# Altium PCB MOTHERBOARD.PcbDoc (part 1 of 4) (continued)
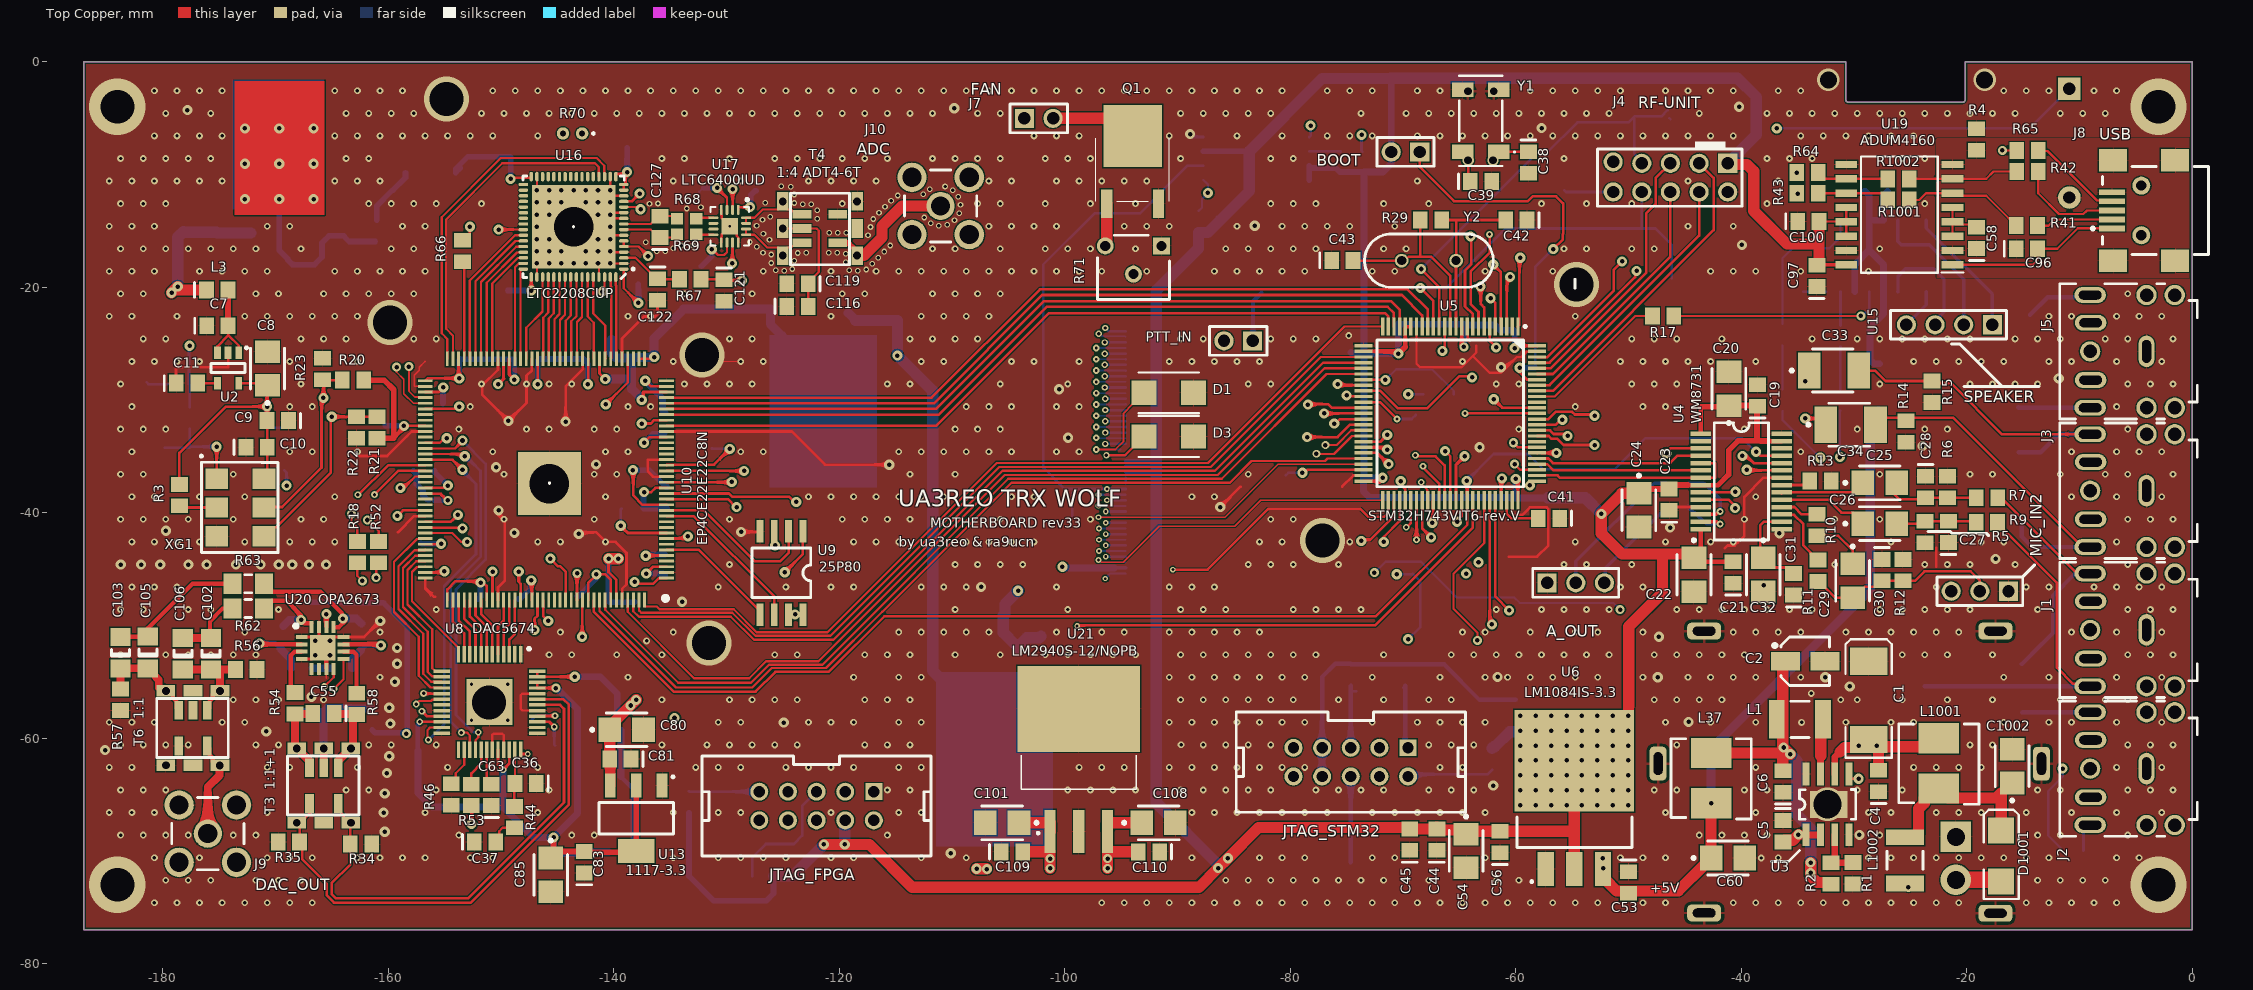
[diagram p0: Top Copper view]
## Components (designator, comment, footprint, x,y, rotation, side; value= is the part's Value field where it differs from the comment) (continued)
D30 "SMAJ5.0A-TR" SMBJ36CATR -44.325,-4.3 r0 bottom
D31 "SMAJ5.0A-TR" SMBJ36CATR -84.75,-20.5 r180 bottom
D34 "SMAJ5.0A-TR" SMBJ36CATR -17.65,-30.65 r180 bottom
D35 "SMAJ5.0A-TR" SMBJ36CATR -14.4,-24.675 r270 bottom
D36 "SMAJ5.0A-TR" SMBJ36CATR -25.925,-55.4 r180 bottom
D37 "SMAJ5.0A-TR" SMBJ36CATR -17.325,-53.425 r180 bottom
D38 "SMAJ5.0A-TR" SMBJ36CATR -17.3,-57.725 r180 bottom
D39 "SMAJ5.0A-TR" SMBJ36CATR -17.375,-40.7 r180 bottom
D40 "SMAJ5.0A-TR" SMBJ36CATR -17.6,-34.65 r180 bottom
D1001 "SS34" SMB -16.95,-70.45 r90 top
D1002 "Diode" C1206 -66.85,-29.5 r180 bottom
J1 "SJ1-3525NG" SJ1-3525NG -4.572,-50.4 r180 top value=LINE_IN
J2 "SJ1-3525NG" SJ1-3525NG -4.572,-62.7 r180 top value=MIC_IN
J3 "SJ1-3525NG" SJ1-3525NG -4.572,-38.05 r180 top value=PHONE_OUT
J4 "RF-UNIT" 90131-0126 -45.01,-10.29 r180 top
J5 "SJ1-3525NG" SJ1-3525NG -4.572,-25.7 r180 top value=KEY_IN
J6 "FPC-45P-0.5mm" FH12S45S05SH60 -95.25,-34.9 r90 bottom
J7 "FAN" 51022-0200 -102.3,-4.4 r0 top
J8 "USB" 2-1734035-3 -3.825,-13.2 r90 top
J9 "DAC_OUT" 31-5431 -175.986,-68.465 r0 top
J10 "ADC" 31-5431 -111,-12.8 r270 top
JTAG_FPGA "" IDC10 -122.001,-66.015 r0 top
JTAG_STM32 "" IDC10 -74.63,-62.12 r0 top
L1 "3.3uH" IND_1812 -34.8,-58.325 r180 top
L3 "BLM21" CAP_0805 -175.35,-20.25 r0 top
L7 "22uH" IND_7x7 -156.3,-9.85 r0 bottom
L8 "BLM21" CAP_0805 -161,-15.2 r90 bottom
L9 "3.3uH" IND_1812 -27.75,-28.85 r270 bottom value=4.7uH
L37 "10uH" IND_7x7 -42.675,-63.6 r90 top
L1001 "10uH" IND_7x7 -22.475,-62.3 r90 top
L1002 "10uH" IND_1812 -25.475,-70.825 r270 top
MIC_IN2 "51022-0300_1" "51022-0200 - duplicate" -17.575,-47.6 r180 top
PTT_IN "PTT_IN" 51022-0200 -84.6,-25.4 r180 top
Q1 "2SC5103TLP" 2SC5103TLQ -93.975,-9.6 r0 top
R1 "7.5k" RES_0805 -30.1,-71.975 r90 top
R2 "39k" RES_0805 -32.05,-72 r270 top
R3 "0/NONE" RES_0805 -178.5,-38.45 r270 top value=NONE/0
R4 "NONE / 0" RES_0805 -19.15,-6.9 r90 top
R5 "5.6k" RES_0805 -23.7,-41.725 r90 top
R6 "5.6k" RES_0805 -21.7,-37.725 r270 top
R7 "5.6k" RES_0805 -18.2,-38.675 r180 top
R8 "30k" RES_0805 -31.2,-24.35 r270 bottom
R9 "5.6k" RES_0805 -18.225,-40.85 r180 top
R10 "10k" RES_0805 -33.275,-41.1 r90 top
R11 "680" RES_0805 -33.2,-45.15 r90 top
R12 "47k" RES_0805 -25.675,-45.1 r270 top
R13 "10k" RES_0805 -32.972,-37.204 r180 top
R14 "47k" RES_0805 -25.4,-32.8 r90 top
R15 "47k" RES_0805 -23.075,-29.275 r90 top
R16 "1.5k" RES_0805 -147.25,-59.3 r90 bottom
R17 "1k" RES_0805 -46.925,-22.55 r180 top
R18 "1k" RES_0805 -162.725,-43.5 r270 top
R19 "1k" RES_0805 -45.225,-19.2 r0 bottom
R20 "130" RES_0805 -163.1,-28.25 r180 top
R21 "130" RES_0805 -161,-32.45 r90 top
R22 "82" RES_0805 -162.8,-32.45 r270 top
R23 "82" RES_0805 -165.8,-27.25 r90 top
R24 "10k" RES_0805 -156.825,-36.3 r0 bottom
R25 "1k" RES_0805 -161.4,-58.325 r270 bottom
R26 "1k" RES_0805 -49.451,-3.901 r90 bottom
R27 "10k" RES_0805 -68.85,-32.7 r90 bottom
R28 "10k" RES_0805 -58.275,-28.075 r90 bottom
R29 "1m" RES_0805 -67.525,-14.05 r180 top
R30 "10k" RES_0805 -138.35,-39.65 r0 bottom
R31 "10k" RES_0805 -126.755,-72.219 r0 bottom
R32 "10k" RES_0805 -133.311,-65.669 r270 bottom
R33 "10k" RES_0805 -69.8,-54.4 r90 bottom
R34 "100" RES_0805 -162.4,-69.4 r180 top
R35 "100" RES_0805 -168.8,-69.2 r0 top
R36 "10k" RES_0805 -62.1,-61.85 r270 bottom
R37 "10k" RES_0805 -74.6,-54.4 r270 bottom
R38 "10k" RES_0805 -75.6,-71 r0 bottom
R39 "10k" RES_0805 -88.125,-14.2 r90 bottom
R40 "22" RES_0805 -74.555,-7.995 r0 bottom
R41 "24" RES_0805 -14.675,-14.55 r180 top
R42 "24" RES_0805 -14.625,-9.75 r180 top
R43 "24" RES_0805 -34.125,-11.675 r180 top
R44 "56" RES_0805 -148.8,-67 r90 top
R45 "47k" RES_0805 -177.6,-31.6 r270 bottom
R46 "10k" RES_0805 -154.4,-65 r90 top
R47 "10k" RES_0805 -135.25,-38.675 r270 bottom
R48 "10k" RES_0805 -132.225,-34.975 r180 bottom
R49 "1k" RES_0805 -168.1,-58.6 r270 bottom
R50 "1k" RES_0805 -56.65,-11.4 r180 bottom
R51 "5.6k" RES_0805 -178.6,-28.6 r180 bottom
R52 "1k" RES_0805 -160.85,-43.5 r270 top
R53 "22" RES_0805 -152.625,-65.025 r90 top
R54 "22" RES_0805 -168.25,-56.9 r90 top
R55 "30k" RES_0805 -36.35,-24.225 r270 bottom
R56 "10k" RES_0805 -172.575,-53.9 r180 top
R57 "10k" RES_0805 -183.719,-56.592 r270 top
R58 "22" RES_0805 -162.775,-56.95 r270 top
R59 "*" RES_0805 -169.55,-51.1 r270 bottom
R60 "*" RES_0805 -162.4,-51.25 r270 bottom
R61 "330" RES_0805 -167.575,-54.125 r0 bottom
R62 "5.6" RES_1206 -172.4,-48.5 r0 top
R63 "5.6" RES_1206 -172.4,-46.3 r0 top
R64 "24" RES_0805 -34.125,-9.85 r180 top
R65 "24" RES_0805 -14.625,-7.875 r180 top
R66 "1.5k" RES_0805 -153.4,-16.8 r270 top
R67 "56" RES_0805 -133.2,-19.3 r180 top
R68 "10" RES_0603 -133.525,-13.925 r180 top
R69 "10" RES_0603 -133.525,-15.3 r180 top
R70 "Thermistor 20k" MF52A103F3950A1 -142.791,-6.376 r270 top
R71 "ADJ-5k" 306J -93.9,-18.245 r270 top
R1001 "NONE / 0" RES_0805 -26.05,-12.25 r180 top
R1002 "NONE / 0" RES_0805 -26.05,-10.425 r180 top
R1003 "0" RES_0805 -10.6,-69.95 r180 bottom
T3 "1:1+1" TRANSF_ACORE2 -165.7,-64.2 r270 top
T4 "1:4 ADT4-6T" TRANSF_ACORE2 -121.7,-14.8 r0 top
T6 "1:1" TRANSF_ACORE -177.3,-59.1 r270 top
U1 "PAM8406" PAM8403 -28.025,-17.235 r90 bottom
U2 "LD3985" LD3985 -174.022,-27.123 r270 top
U3 "ST1S10" ST1S10 -32.349,-65.874 r90 top
U4 "WM8731" WM8731 -40,-37.225 r0 top
U5 "STM32H743VIT6-rev.V" STM32H743VIT6 -65.8,-31.2 r270 top
U6 "LM1084IS-3.3" LM1085-3.3 -54.8,-65.3 r90 top
U7 "W25Q16" W25Q16 -83,-8.595 r0 bottom
U8 "DAC5674" QFP50P900X900X100-49N -151,-56.8 r270 top locked
U9 "25P80" 25P80 -125.115,-45.338 r270 top
U10 "EP4CE22E22C8N" QFP144-20-2222A -145.7,-37.3 r180 top locked
U11 "1117DT-2.5" TO228P991X238-3N -106.335,-56.85 r270 bottom
U12 "1117DT-1.2" TO228P991X238-3N -121.42,-26.975 r270 bottom
U13 "1117-3.3" LT1117CST-3.3 -137.915,-67.1 r270 top value=LD1117-3.3
U14 "1117-1.8" LT1117CST-3.3 -138,-67.2 r90 bottom value=LD1117-1.8
U15 "SPEAKER" "speaker conn" -20.275,-23.975 r180 top
U16 "LTC2208CUP" LTC2208CUP -143.247,-14.65 r180 top
U17 "LTC6400IUD" LT-UD-16_N -129.7,-14.6 r270 top
U18 "1117DT-3.3" TO228P991X238-3N -169.675,-10.35 r90 bottom
U19 "ADUM4160" SOIC127P1032X265-16N -25.975,-13.575 r180 top
U20 "OPA2673" QFN65P400X400X100-17N-D -165.8,-52 r0 top
U21 "LM2940S-12/NOPB" TO254P1524X483-4N -98.75,-61.875 r90 top
XG1 "122.88Mhz" NV7050SA -173.252,-39.17 r0 top
XG2 "12.288Mhz TCXO 3.3v TTL/CMOS (set other freq in fpga code)" 581L200X2ITT -168.104,-34.354 r270 bottom
Y1 "ABS25-32.768KHZ-6-T" ABS25 -63.1,-5.25 r90 top
Y2 "8mhz" ECS-200-20-1 -67.7,-17.65 r180 top

## Footprints (in the part's own frame and the unit in brackets; to place one, negate y for a bottom-side part, rotate by r counter-clockwise, add the part's x,y. Pads: shape width x height; smd on the part's side, far side on the other; paste and mask are expansions set on the pad)
2-1734035-3 [mm]
  rect 0.5x2.3 smd: 1(-1.6,3.3) 2(-0.8,3.3) 3(0,3.3) 4(0.8,3.3) 5(1.6,3.3)
  rect 2x2.5 smd: 6(-4.45,3.2) 7(4.45,3.2) 8(-4.45,-2.3) 9(4.45,-2.3)
  round 1.6 hole 0.9: 10(-2.2,0.7) 11(2.201,0.7)
  silkscreen extent -3.9,-5.25 3.9,5.25
2SC5103TLQ [mm]
  rect 1x2.5 smd: 1(-2.3,-3) 3(2.3,-3)
  rect 5.2x5.5 smd: 2(0,3)
  silkscreen extent -3.25,-2.8 3.25,2.8, body extent -3.25,-4.15 3.25,5.23, height 2.6
25P80 [mm]
  rect 2x0.6 smd: 1(-3.7,1.905) 2(-3.7,0.635) 3(-3.7,-0.635) 4(-3.7,-1.905) 5(3.7,-1.905) 6(3.7,-0.635) 7(3.7,0.635) 8(3.7,1.905)
  silkscreen extent -2.2,-2.6 2.2,2.6
31-5431 [mm]
  round 2.6 hole 1.7: 1(-2.54,-2.54) 2(2.54,-2.54) 3(2.54,2.54) 4(-2.54,2.54)
  round 2.5 hole 1.7: 5(0,0)
  silkscreen extent -3.2,-3.2 3.2,3.2
306J [mm]
  rect 1.5x1.5 hole 0.9: 1(-1.9,2.5)
  round 1.5 hole 0.9: 2(0.6,0) 3(-1.9,-2.5)
  silkscreen extent -2.85,-3.2 2.85,3.2
581L200X2ITT [mm]
  rect 1.5x1.2 smd: 1(-1.9,-1.1) 2(1.9,-1.1) 3(1.9,1.1) 4(-1.9,1.1)
  silkscreen extent -3.2,-1.6 2.5,1.6, body extent -2.53,-1.6 2.53,1.6, height 1.75
51022-0200 [mm]
  rect 1.7x1.7 hole 1.1: 1(-1.27,-0.635)
  round 1.7 hole 1.1: 2(1.27,-0.635)
  silkscreen extent -2.54,-1.91 2.54,0.64
"51022-0200 - duplicate" [mm]
  rect 1.7x1.7 hole 1.1: 1(-1.27,-0.635)
  round 1.7 hole 1.1: 2(1.27,-0.635) 3(3.81,-0.635)
  silkscreen extent -2.54,-1.91 5.08,0.64
90131-0126 [mm]
  rect 1.7x1.7 hole 1.1: 1(-3.81,-1.27)
  round 1.7 hole 1.1: 2(-3.81,1.27) 3(-1.27,-1.27) 4(-1.27,1.27) 5(1.27,-1.27) 6(1.27,1.27) 7(3.81,-1.27) 8(3.81,1.27) 9(6.35,-1.397) 10(6.35,1.27)
  silkscreen extent -5.08,-2.54 7.75,2.54
ABS25 [mm]
  rect 1.3x1.9 smd: 1(-2.75,-1.6) 2(2.75,-1.6) 3(2.75,1.6) 4(-2.75,1.6)
  silkscreen extent -4,-3.03 4,1.9
C1206 [mm] "Chip Capacitor, Body 3.2x1.6mm, IPC High Density"
  rect 1.1x1.7 smd: 1(-1.35,0) 2(1.35,0)
  silkscreen extent -0.4,-0.75 0.4,0.75, body extent -1.7,-0.9 1.7,0.9, height 1.3
CAP_0805 [mm]
  rect 1.3x1.5 smd: 1(-0.75,0) 2(1.15,0)
  silkscreen extent -1.8,-0.65 -1.8,0.65
CAP_1206 [mm]
  rect 1.6x1.8 smd: 1(-1.4,0) 2(1.4,0)
  silkscreen extent -0.3,-0.8 0.3,0.8
CAPAE_4.3x4.3h5.4#1 [mm]
  rect 2.55x1.6 smd: 1(-1.75,0) 2(1.75,0)
  silkscreen extent -3,-2.15 2.15,2.15
CAPAE_4.3x4.3h5.4#2 [mm]
  rect 2x2.2 smd: 1(-1.1,0) 2(1.9,0)
  silkscreen extent -2.9,-1.5 2.2,1.5
ECS-200-20-1 [mil]
  round 48 hole 32: 1(-95,0) 2(95,0)
  silkscreen extent -225,-93 225,93
EEEFC_sizeС [mm]
  rect 2x3.2 smd: 1(-1.1,0) 2(3.302,0)
  silkscreen extent -2.9,-1.91 2.79,1.91
FH12S45S05SH60 [mm]
  rect 0.3x1.3 smd: 1(11,0.65) 2(10.5,0.65) 3(10,0.65) 4(9.5,0.65) 5(9,0.65) 6(8.5,0.65) 7(8,0.65) 8(7.5,0.65) 9(7,0.65) 10(6.5,0.65) 11(6,0.65) 12(5.5,0.65) 13(5,0.65) 14(4.5,0.65) 15(4,0.65) 16(3.5,0.65) 17(3,0.65) 18(2.5,0.65) 19(2,0.65) 20(1.5,0.65) 21(1,0.65) 22(0.5,0.65) 23(0,0.65) 24(-0.5,0.65) 25(-1,0.65) 26(-1.5,0.65) 27(-2,0.65) 28(-2.5,0.65) 29(-3,0.65) 30(-3.5,0.65) 31(-4,0.65) 32(-4.5,0.65) 33(-5,0.65) 34(-5.5,0.65) 35(-6,0.65) 36(-6.5,0.65) 37(-7,0.65) 38(-7.5,0.65) 39(-8,0.65) 40(-8.5,0.65) 41(-9,0.65) 42(-9.5,0.65) 43(-10,0.65) 44(-10.5,0.65) 45(-11,0.65)
  rect 2.2x3 smd: 46(-12.9,-1.1) 47(12.9,-1.04)
  silkscreen extent -12.8,-5.6 12.8,0, body extent -13.62,-5.6 13.62,1.27, height 2.1
IDC10 [mm]
  rect 1.5x1.5 hole 1: 1(5.08,1.27)
  round 1.6 hole 1: 2(5.08,-1.27) 3(2.54,1.27) 4(2.54,-1.27) 5(0,1.27) 6(0,-1.27) 7(-2.54,1.27) 8(-2.54,-1.27) 9(-5.08,1.27) 10(-5.08,-1.27)
  silkscreen extent -10.16,-4.44 10.16,4.44
IND_7x7 [mm]
  rect 2.7x3.6 smd: 1(-2.159,0) 2(2.286,0)
  silkscreen extent -3.56,-3.56 3.56,3.56
IND_1812 [mm]
  rect 1.4x3.4 smd: 1(-2.05,0) 2(2.05,0)
  silkscreen extent -0.8,-1.6 0.8,1.6
JX2 [mm]
  rect 2.7x2.7 hole 1.6: 1(-1.905,0)
  round 2.7 hole 1.6: 2(1.905,0)
  silkscreen extent -3.81,-1.4 3.81,1.4
KLS5-CR1220-01 [mm]
  rect 2x2 hole 1.1: 1(-9.65,0)
  round 2 hole 1.1: 2(0,0)
  silkscreen extent -11.75,-8 8.05,8
LD3985 [mm]
  rect 1.1x0.6 smd: 1(-1.316,0.785) 2(-1.316,-0.165) 3(-1.316,-1.115) 4(1.384,-1.115) 5(1.384,0.785)
  silkscreen extent -1.93,-1.66 0.43,1.66
LM1085-3.3 [mm]
  rect 3x1.45 smd: 1(-6.3,2.54) 2(-6.3,0) 3(-6.3,-2.54)
  rect 9x10.6 smd: 4(3.3,0)
  silkscreen extent -7.61,-5.1 -1.7,5.1
LT1117CST-3.3 [mm]
  rect 2.15x0.95 smd: 1(-2.9,2.215) 2(-2.9,-0.085) 3(-2.9,-2.385)
  rect 2.15x3.25 smd: 4(2.9,-0.085)
  silkscreen extent -3.86,-3.38 1.4,3.38
LT-UD-16_N [mm] "QFN, 16-Leads, Body 3x3mm, Pitch 0.5mm, Thermal Pad 1.45x1.45mm, IPC Medium Density"
  oval 0.9x0.25 smd: 1(-1.45,0.75) 2(-1.45,0.25) 3(-1.45,-0.25) 4(-1.45,-0.75) 9(1.45,-0.75) 10(1.45,-0.25) 11(1.45,0.25) 12(1.45,0.75)
  oval 0.25x0.9 smd: 5(-0.75,-1.45) 6(-0.25,-1.45) 7(0.25,-1.45) 8(0.75,-1.45) 13(0.75,1.45) 14(0.25,1.45) 15(-0.25,1.45) 16(-0.75,1.45)
  rect 1.45x1.45 smd: 17(0,0)
  silkscreen extent -2.47,-1.7 1.7,1.7, body extent -1.55,-1.55 1.55,1.55, height 0.8
LTC2208CUP [mm]
  oval 0.85x0.3 smd: 1(-4.147,3.75) 2(-4.147,3.25) 3(-4.147,2.75) 4(-4.147,2.25) 5(-4.147,1.75) 6(-4.147,1.25) 7(-4.147,0.75) 8(-4.147,0.25) 9(-4.147,-0.25) 10(-4.147,-0.75) 11(-4.147,-1.25) 12(-4.147,-1.75) 13(-4.147,-2.25) 14(-4.147,-2.75) 15(-4.147,-3.25) 16(-4.147,-3.75) 33(4.753,-3.75) 34(4.753,-3.25) 35(4.753,-2.75) 36(4.753,-2.25) 37(4.753,-1.75) 38(4.753,-1.25) 39(4.753,-0.75) 40(4.753,-0.25) 41(4.753,0.25) 42(4.753,0.75) 43(4.753,1.25) 44(4.753,1.75) 45(4.753,2.25) 46(4.753,2.75) 47(4.753,3.25) 48(4.753,3.75)
  oval 0.3x0.85 smd: 17(-3.447,-4.45) 18(-2.947,-4.45) 19(-2.447,-4.45) 20(-1.947,-4.45) 21(-1.447,-4.45) 22(-0.947,-4.45) 23(-0.447,-4.45) 24(0.053,-4.45) 25(0.553,-4.45) 26(1.053,-4.45) 27(1.553,-4.45) 28(2.053,-4.45) 29(2.553,-4.45) 30(3.053,-4.45) 31(3.553,-4.45) 32(4.053,-4.45) 49(4.053,4.45) 50(3.553,4.45) 51(3.053,4.45) 52(2.553,4.45) 53(2.053,4.45) 54(1.553,4.45) 55(1.053,4.45) 56(0.553,4.45) 57(0.053,4.45) 58(-0.447,4.45) 59(-0.947,4.45) 60(-1.447,4.45) 61(-1.947,4.45) 62(-2.447,4.45) 63(-2.947,4.45) 64(-3.447,4.45)
  rect 7.4x7.4 smd: 65(0.303,0)
  silkscreen extent -5.18,-4.5 4.8,4.6
MF52A103F3950A1 [mm]
  round 1.1 hole 0.55: 1(0,0) 2(0,-1.7)
  silkscreen extent -0.1,0.9 0.1,1.1, body extent -1.25,-2.1 1.25,0.4, height 4.1
NV7050SA [mm]
  rect 2x1.8 smd: 1(-1.948,2.17) 2(-1.948,-0.37) 3(-1.948,-2.91) 4(2.252,-2.91) 5(2.252,-0.37) 6(2.252,2.17)
  silkscreen extent -3.51,-4.38 3.51,4.38
PAM8403 [mm]
  rect 2x0.6 smd: 1(-3.175,4.445) 2(-3.175,3.175) 3(-3.175,1.905) 4(-3.175,0.635) 5(-3.175,-0.635) 6(-3.175,-1.905) 7(-3.175,-3.175) 8(-3.175,-4.445) 9(3.175,-4.445) 10(3.175,-3.175) 11(3.175,-1.905) 12(3.175,-0.635) 13(3.175,0.635) 14(3.175,1.905) 15(3.175,3.175) 16(3.175,4.445)
  silkscreen extent -1.7,-5.15 1.7,5.15
QFN65P400X400X100-17N-D [mm]
  rect 1.05x0.35 smd: 1(-1.85,0.975) 2(-1.85,0.325) 3(-1.85,-0.325) 4(-1.85,-0.975) 9(1.85,-0.975) 10(1.85,-0.325) 11(1.85,0.325) 12(1.85,0.975)
  rect 0.35x1.05 smd: 5(-0.975,-1.85) 6(-0.325,-1.85) 7(0.325,-1.85) 8(0.975,-1.85) 13(0.975,1.85) 14(0.325,1.85) 15(-0.325,1.85) 16(-0.975,1.85)
  rect 2.26x2.26 smd: 17(0,0)
  silkscreen extent -2.54,1.79 -2.21,2.11, body extent -2.05,-2.05 2.05,2.05, height 1
QFP50P900X900X100-49N [mm]
  rect 1.475x0.3 smd: 1(-4.238,2.75) 2(-4.238,2.25) 3(-4.238,1.75) 4(-4.238,1.25) 5(-4.238,0.75) 6(-4.238,0.25) 7(-4.238,-0.25) 8(-4.238,-0.75) 9(-4.238,-1.25) 10(-4.238,-1.75) 11(-4.238,-2.25) 12(-4.238,-2.75) 25(4.238,-2.75) 26(4.238,-2.25) 27(4.238,-1.75) 28(4.238,-1.25) 29(4.238,-0.75) 30(4.238,-0.25) 31(4.238,0.25) 32(4.238,0.75) 33(4.238,1.25) 34(4.238,1.75) 35(4.238,2.25) 36(4.238,2.75)
  rect 0.3x1.475 smd: 13(-2.75,-4.238) 14(-2.25,-4.238) 15(-1.75,-4.238) 16(-1.25,-4.238) 17(-0.75,-4.238) 18(-0.25,-4.238) 19(0.25,-4.238) 20(0.75,-4.238) 21(1.25,-4.238) 22(1.75,-4.238) 23(2.25,-4.238) 24(2.75,-4.238) 37(2.75,4.238) 38(2.25,4.238) 39(1.75,4.238) 40(1.25,4.238) 41(0.75,4.238) 42(0.25,4.238) 43(-0.25,4.238) 44(-0.75,4.238) 45(-1.25,4.238) 46(-1.75,4.238) 47(-2.25,4.238) 48(-2.75,4.238)
  rect 4.1x4.1 smd: 49(0,0)
  silkscreen extent -4.85,3.38 -4.6,3.63, body extent -4.5,-4.5 4.5,4.5, height 1
QFP144-20-2222A [mil]
  rect 52x10 smd: 1(-409.45,334.64) 2(-409.45,314.96) 3(-409.45,295.27) 4(-409.45,275.59) 5(-409.45,255.9) 6(-409.45,236.22) 7(-409.45,216.53) 8(-409.45,196.85) 9(-409.45,177.16) 10(-409.45,157.48) 11(-409.45,137.8) 12(-409.45,118.11) 13(-409.45,98.43) 14(-409.45,78.74) 15(-409.45,59.06) 16(-409.45,39.37) 17(-409.45,19.69) 18(-409.45,0) 19(-409.45,-19.68) 20(-409.45,-39.37) 21(-409.45,-59.06) 22(-409.45,-78.74) 23(-409.45,-98.43) 24(-409.45,-118.11) 25(-409.45,-137.8) 26(-409.45,-157.48) 27(-409.45,-177.17) 28(-409.45,-196.85) 29(-409.45,-216.54) 30(-409.45,-236.22) 31(-409.45,-255.91) 32(-409.45,-275.59) 33(-409.45,-295.28) 34(-409.45,-314.96) 35(-409.45,-334.65) 36(-409.45,-354.33) 73(433.07,-354.33) 74(433.07,-334.65) 75(433.07,-314.96) 76(433.07,-295.28) 77(433.07,-275.59) 78(433.07,-255.91) 79(433.07,-236.22) 80(433.07,-216.54) 81(433.07,-196.85) 82(433.07,-177.17) 83(433.07,-157.48) 84(433.07,-137.8) 85(433.07,-118.11) 86(433.07,-98.43) 87(433.07,-78.74) 88(433.07,-59.06) 89(433.07,-39.37) 90(433.07,-19.68) 91(433.07,0) 92(433.07,19.69) 93(433.07,39.37) 94(433.07,59.06) 95(433.07,78.74) 96(433.07,98.43) 97(433.07,118.11) 98(433.07,137.8) 99(433.07,157.48) 100(433.07,177.16) 101(433.07,196.85) 102(433.07,216.53) 103(433.07,236.22) 104(433.07,255.9) 105(433.07,275.59) 106(433.07,295.27) 107(433.07,314.96) 108(433.07,334.64)
  rect 10x52 smd: 37(-332.68,-431.1) 38(-312.99,-431.1) 39(-293.31,-431.1) 40(-273.62,-431.1) 41(-253.94,-431.1) 42(-234.25,-431.1) 43(-214.57,-431.1) 44(-194.88,-431.1) 45(-175.2,-431.1) 46(-155.51,-431.1) 47(-135.83,-431.1) 48(-116.14,-431.1) 49(-96.46,-431.1) 50(-76.77,-431.1) 51(-57.09,-431.1) 52(-37.4,-431.1) 53(-17.72,-431.1) 54(1.97,-431.1) 55(21.65,-431.1) 56(41.34,-431.1) 57(61.02,-431.1) 58(80.71,-431.1) 59(100.39,-431.1) 60(120.08,-431.1) 61(139.76,-431.1) 62(159.45,-431.1) 63(179.13,-431.1) 64(198.82,-431.1) 65(218.5,-431.1) 66(238.19,-431.1) 67(257.87,-431.1) 68(277.56,-431.1) 69(297.24,-431.1) 70(316.93,-431.1) 71(336.61,-431.1) 72(356.3,-431.1) 109(356.3,411.42) 110(336.61,411.42) 111(316.93,411.42) 112(297.24,411.42) 113(277.56,411.42) 114(257.87,411.42) 115(238.19,411.42) 116(218.5,411.42) 117(198.82,411.42) 118(179.13,411.42) 119(159.45,411.42) 120(139.76,411.42) 121(120.08,411.42) 122(100.39,411.42) 123(80.71,411.42) 124(61.02,411.42) 125(41.34,411.42) 126(21.65,411.42) 127(1.97,411.42) 128(-17.72,411.42) 129(-37.4,411.42) 130(-57.09,411.42) 131(-76.77,411.42) 132(-96.46,411.42) 133(-116.14,411.42) 134(-135.83,411.42) 135(-155.51,411.42) 136(-175.2,411.42) 137(-194.88,411.42) 138(-214.57,411.42) 139(-234.25,411.42) 140(-253.94,411.42) 141(-273.62,411.42) 142(-293.31,411.42) 143(-312.99,411.42) 144(-332.68,411.42)
  rect 220x220 smd: 145(0,5)
  rect 157.48x157.48 hole 137.8: 145(0,5)
RES_0603 [mm]
  rect 1.1x1 smd: 1(-0.85,0) 2(0.85,0)
RES_0805 [mm]
  rect 1.3x1.5 smd: 1(-0.95,0) 2(0.95,0)
RES_1206 [mm]
  rect 1.6x1.8 smd: 1(-1.4,0) 2(1.4,0)
  silkscreen extent -0.3,-0.8 0.3,0.8
SJ1-3525NG [mm]
  oval 1.4x2.8 hole 2 slot 0.8 at 0 deg: 1(-0.511,0)
  oval 2.8x1.4 hole 0.8 slot 2 at 0 deg: 2(4.489,-5) 3(4.489,5) 4(4.445,2.54) 5(4.445,-2.54)
  round 1.8 hole 1.2: 6(4.489,0) 7(-3.011,-5) 8(-0.511,-5) 9(-3.011,5) 10(-0.511,5)
  silkscreen extent -5.01,-6 7.19,6
SMB [mm] "DO-214-AA/SMB; 2 C-Bend Leads; Body 5.3 x 3.6 mm, inc. leads (LxW)"
  rect 2.3x2.3 smd: 1(-2.25,0) 2(2.25,0)
  silkscreen extent -3.8,-1.55 4.1,1.55
SMBJ36CATR [mm]
  rect 2.2x2.15 smd: 1(-2.2,0) 2(2.2,0)
  silkscreen extent -2.68,-1.81 2.68,1.81, body extent -3.08,-1.81 3.09,1.81, height 2.75
SMC [mm] "DO-214-AB/SMC; 2 C-Bend Leads; Body 7.9 x 5.9 mm, inc. leads (LxW)"
  rect 2.4x3.3 smd: 1(-3.475,0) 2(3.475,0)
  silkscreen extent -5.07,-2.05 5.43,2.05
SOIC127P1032X265-16N [mm]
  rect 1.925x0.65 smd: 1(-4.712,4.445) 2(-4.712,3.175) 3(-4.712,1.905) 4(-4.712,0.635) 5(-4.712,-0.635) 6(-4.712,-1.905) 7(-4.712,-3.175) 8(-4.712,-4.445) 9(4.712,-4.445) 10(4.712,-3.175) 11(4.712,-1.905) 12(4.712,-0.635) 13(4.712,0.635) 14(4.712,1.905) 15(4.712,3.175) 16(4.712,4.445)
  silkscreen extent -5.68,-5.15 3.4,5.15, body extent -5.16,-5.15 5.16,5.15, height 2.65
"speaker conn" [mm]
  rect 1.7x1.7 hole 1.1: 1(-2.54,-0.635)
  round 1.7 hole 1.1: 2(0,-0.635) 3(2.54,-0.635) 4(5.08,-0.635)
  silkscreen extent -3.81,-1.91 6.48,0.64
ST1S10 [mm]
  rect 2x0.6 smd: 1(-2.7,1.905) 2(-2.7,0.635) 3(-2.7,-0.635) 4(-2.7,-1.905) 5(2.7,-1.905) 6(2.7,-0.635) 7(2.7,0.635) 8(2.7,1.905)
  rect 2.41x3.3 smd: 9(0,-0.1)
  silkscreen extent -1.32,-2.5 1.32,2.5
STM32H743VIT6 [mm]
  rect 1.6x0.3 smd: 1(-7.7,6) 2(-7.7,5.5) 3(-7.7,5) 4(-7.7,4.5) 5(-7.7,4) 6(-7.7,3.5) 7(-7.7,3) 8(-7.7,2.5) 9(-7.7,2) 10(-7.7,1.5) 11(-7.7,1) 12(-7.7,0.5) 13(-7.7,0) 14(-7.7,-0.5) 15(-7.7,-1) 16(-7.7,-1.5) 17(-7.7,-2) 18(-7.7,-2.5) 19(-7.7,-3) 20(-7.7,-3.5) 21(-7.7,-4) 22(-7.7,-4.5) 23(-7.7,-5) 24(-7.7,-5.5) 25(-7.7,-6) 51(7.7,-6) 52(7.7,-5.5) 53(7.7,-5) 54(7.7,-4.5) 55(7.7,-4) 56(7.7,-3.5) 57(7.7,-3) 58(7.7,-2.5) 59(7.7,-2) 60(7.7,-1.5) 61(7.7,-1) 62(7.7,-0.5) 63(7.7,0) 64(7.7,0.5) 65(7.7,1) 66(7.7,1.5) 67(7.7,2) 68(7.7,2.5) 69(7.7,3) 70(7.7,3.5) 71(7.7,4) 72(7.7,4.5) 73(7.7,5) 74(7.7,5.5) 75(7.7,6)
  rect 0.3x1.6 smd: 26(-6,-7.7) 27(-5.5,-7.7) 28(-5,-7.7) 29(-4.5,-7.7) 30(-4,-7.7) 31(-3.5,-7.7) 32(-3,-7.7) 33(-2.5,-7.7) 34(-2,-7.7) 35(-1.5,-7.7) 36(-1,-7.7) 37(-0.5,-7.7) 38(0,-7.7) 39(0.5,-7.7) 40(1,-7.7) 41(1.5,-7.7) 42(2,-7.7) 43(2.5,-7.7) 44(3,-7.7) 45(3.5,-7.7) 46(4,-7.7) 47(4.5,-7.7) 48(5,-7.7) 49(5.5,-7.7) 50(6,-7.7) 76(6,7.7) 77(5.5,7.7) 78(5,7.7) 79(4.5,7.7) 80(4,7.7) 81(3.5,7.7) 82(3,7.7) 83(2.5,7.7) 84(2,7.7) 85(1.5,7.7) 86(1,7.7) 87(0.5,7.7) 88(0,7.7) 89(-0.5,7.7) 90(-1,7.7) 91(-1.5,7.7) 92(-2,7.7) 93(-2.5,7.7) 94(-3,7.7) 95(-3.5,7.7) 96(-4,7.7) 97(-4.5,7.7) 98(-5,7.7) 99(-5.5,7.7) 100(-6,7.7)
  silkscreen extent -7.92,-6.5 6.5,6.85
TO228P991X238-3N [mm]
  rect 1.75x1 smd: 1(-4.7,2.285) 3(-4.7,-2.285)
  rect 6.35x5.55 smd: 4(2.4,0)
  silkscreen extent -5.42,-3.25 -1.15,3.42
TO254P1524X483-4N [mm]
  rect 3.79x0.99 smd: 1(-6.4,2.54) 2(-6.4,0) 3(-6.4,-2.54)
  rect 7.62x10.84 smd paste-6: 4(4.48,0)
  silkscreen extent -6.64,-5.08 0.36,5.08, body extent -7.18,-5.08 7.18,5.08, height 4.65
TRANSF_ACORE [mm]
  rect 1x1.65 smd: 1(-3.3,2.4) 2(-3.3,0) 3(-3.3,-2.4) 4(3.3,-2.4) 5(3.3,0) 6(3.3,2.4)
  rect 1.65x0.76 smd: 7(-1.59,1.27) 8(-1.59,0) 9(-1.59,-1.27) 10(1.59,1.27) 11(1.59,-1.27)
  silkscreen extent -2.61,-3.21 2.61,3.13
TRANSF_ACORE2 [mm]
  rect 1x1.65 smd: 1(-3.3,2.4) 2(-3.3,0) 3(-3.3,-2.4) 4(3.3,-2.4) 5(3.3,0) 6(3.3,2.4)
  rect 1.65x0.76 smd: 7(-1.59,1.27) 8(-1.59,0) 9(-1.59,-1.27) 10(1.59,1.27) 11(1.59,-1.27)
  silkscreen extent -2.61,-3.21 2.61,3.13
W25Q16 [mm]
  rect 2x0.6 smd: 1(-4.7,1.905) 2(-4.7,0.635) 3(-4.7,-0.635) 4(-4.7,-1.905) 5(4.7,-1.905) 6(4.7,-0.635) 7(4.7,0.635) 8(4.7,1.905)
  silkscreen extent -3.2,-2.6 3.2,2.6
WM8731 [mm]
  rect 1.8x0.4 smd: 1(-3.6,4.225) 2(-3.6,3.575) 3(-3.6,2.925) 4(-3.6,2.275) 5(-3.6,1.625) 6(-3.6,0.975) 7(-3.6,0.325) 8(-3.6,-0.325) 9(-3.6,-0.975) 10(-3.6,-1.625) 11(-3.6,-2.275) 12(-3.6,-2.925) 13(-3.6,-3.575) 14(-3.6,-4.225) 15(3.6,-4.225) 16(3.6,-3.575) 17(3.6,-2.925) 18(3.6,-2.275) 19(3.6,-1.625) 20(3.6,-0.975) 21(3.6,-0.325) 22(3.6,0.325) 23(3.6,0.975) 24(3.6,1.625) 25(3.6,2.275) 26(3.6,2.925) 27(3.6,3.575) 28(3.6,4.225)
  silkscreen extent -2.4,-5.2 2.4,5.2

## Part data
A_OUT MIC_IN2: "51022-0300"
B1: library part BR1632A/FA, "BR1632A/FA"
BOOT: library part 51022-0200, "2 Pin"
C1: library part CAPAE_6.6x6.6h5.4, "CAPAE_6.6x6.6h5.4"
C2 C8 C20 C22 C24 C25 C26 C29 C32 C33 C34 C54 C60 C75 C77 C80 C85 C101 C108 C125 C126 C1002: library part CAPAE_4.3x4.3h5.4, "CAPAE_4.3x4.3h5.4"
C3 C4 C5 C6 C7 C9 C10 C11 C12 C13 C14 C15 C16 C17 C19 C21 C23 C27 C28 C30 C31 C35 C36 C37 C38 C39 C40 C41 C42 C43 C44 C45 C46 C47 C48 C49 C50 C51 C52 C53 C55 C56 C57 C58 C59 C61 C62 C63 C64 C65 C66 C67 C68 C69 C70 C71 C72 C73 C74 C76 C78 C79 C81 C82 C83 C84 C86 C87 C88 C89 C90 C91 C92 C93 C94 C95 C96 C97 C98 C99 C100 C104 C107 C109 C110 C112 C113 C114 C115 C116 C117 C118 C119 C120 C121 C122 C123 C124 C127 C135 C136 C137 C1001 C1003 C1004: library part CAP_0805, "CAP_0805"
C102 C103 C105 C106: library part CAP_1206, "CAP_1206"
D1 D3 D29 D30 D34 D35 D36 D37 D38 D39 D40: library part SMLVT3V3, "Diode", Manufacturer_Name=STMicroelectronics, Mouser Part Number=511-SMLVT3V3, RS Part Number=5444821P, Allied_Number=70013736, Allied Price/Stock=http://www.alliedelec.com/stmicroelectronics-smlvt3v3/70013736/, Datasheet Link=http://www.st.com/web/en/resource/technical/document/datasheet/CD00000923.pdf, Height=2.65mm, Manufacturer_Part_Number=SMLVT3V3, Mouser Price/Stock=https://www.mouser.com/Search/Refine.aspx?Keyword=511-SMLVT3V3, RS Price/Stock=http://uk.rs-online.com/web/p/products/5444821P
D31: library part SMLVT3V3, "Diode", LCSC Part #=test, Manufacturer_Name=STMicroelectronics, Mouser Part Number=511-SMLVT3V3, RS Part Number=5444821P, Allied_Number=70013736, Allied Price/Stock=http://www.alliedelec.com/stmicroelectronics-smlvt3v3/70013736/, Datasheet Link=http://www.st.com/web/en/resource/technical/document/datasheet/CD00000923.pdf, Height=2.65mm, Manufacturer_Part_Number=SMLVT3V3, Mouser Price/Stock=https://www.mouser.com/Search/Refine.aspx?Keyword=511-SMLVT3V3, RS Price/Stock=http://uk.rs-online.com/web/p/products/5444821P
D1001: library part "D Schottky", "Schottky Diode", Code_JEDEC=DO-214-AA, LatestRevisionDate=17-Jul-2002, LatestRevisionNote="Re-released for DXP Platform.", PackageDescription="DO-214-AA/SMB; 2 C-Bend Leads; Body 5.3 x 3.6 mm, inc. leads (LxW)", PackageReference=SMB, Published=8-Jun-2000, Publisher="Altium Limited"
D1002: "Default Diode", Code_JEDEC=DO-214-AB, LatestRevisionDate=17-Jul-2002, LatestRevisionNote="Re-released for DXP Platform.", PackageDescription="DO-214-AB/SMC; 2 C-Bend Leads; Body 7.9 x 5.9 mm, inc. leads (LxW)", PackageReference=SMC, PackageVersion=Sep-1996, Published=8-Jun-2000, Publisher="Altium Limited"
J1 J2 J3 J5: library part SJ1-3523N
J4: library part 90131-0126, "2*5 Pin"
J6: library part FH12S-45S-0.5SH_55_, "Connector", Manufacturer_Name=Hirose, Manufacturer_Part_Number=FH12S-45S-0.5SH(55), Mouser Part Number=798-FH12S-45S-05SH55, RS Part Number=1620942, Datasheet Link=https://www.hirose.com/product/en/download_file/key_name/FH12S-45S-0.5SH%2855%29/category/Drawing%20(2D)/doc_file_id/43881/?file_category_id=6&item_id=05860665055&is_series=, Height=2mm, Mouser Price/Stock=https://www.mouser.co.uk/ProductDetail/Hirose-Connector/FH12S-45S-05SH55?qs=0N%252BVULUZFj%252BE0LA99Ny0NA%3D%3D, RS Price/Stock=http://uk.rs-online.com/web/p/products/1620942
J7 PTT_IN: library part 51022-0200, "51022-0200"
J8: library part 2-1734035-3, "2-1734035-3"
J9 J10: library part 31-5431, "SMA"
JTAG_FPGA JTAG_STM32: library part IDC10, "2*5 Pin"
L1 L9 L1002: library part IND_1812, "IND_1812"
L3 L8: library part IND_FERRITE_BEAD
L7: library part IND_1206, "IND_1206"
L37 L1001: library part IND_FERRITE_CORE, "Inductor"
Q1: "Transistor BJT NPN", Manufacturer_Name="ROHM Semiconductor", Mouser Part Number=755-2SC5103TLP, Datasheet Link=https://componentsearchengine.com/Datasheets/1/2SC5103TLP.pdf, Height=2.5mm, Manufacturer_Part_Number=2SC5103TLP, Mouser Price/Stock=https://www.mouser.co.uk/ProductDetail/ROHM-Semiconductor/2SC5103TLP?qs=4kLU8WoGk0sDL0zMTtaqxg%3D%3D
R1 R2 R4 R5 R6 R7 R8 R9 R10 R11 R12 R13 R14 R15 R16 R17 R18 R19 R20 R21 R22 R23 R24 R25 R26 R27 R28 R29 R30 R31 R32 R33 R34 R35 R36 R37 R38 R39 R40 R41 R42 R43 R44 R45 R46 R47 R48 R49 R50 R51 R52 R53 R54 R55 R56 R57 R58 R59 R60 R61 R64 R65 R66 R67 R1001 R1002 R1003: library part RES_0805, "RES_0805"
R3: library part RES_0805, "By used crystal"
R62 R63: library part RES_1206, "RES_1206"
R68 R69: library part RES_0603, "RES_0603"
R70: library part MF52A103F3950_A1_, "Thermistor", Manufacturer_Name="Nanjing Shiheng Electronic Technology Co.", Manufacturer_Part_Number=MF52A103F3950(A1), Datasheet Link=https://datasheet.lcsc.com/szlcsc/Nanjing-Shiheng-Elec-MF52A1103F3950-P334-4_C13879.pdf, Height=4mm
R71: library part 306J, "306J"
T3 T4: library part TRANSF_ACORE2, "Transformer"
T6: library part TRANSF_ACORE, "Transformer"
U5: library part STM32H743VIT6, "STM32H743VIT6"
U6: library part LM1085-3.3
U8: library part DAC5674IPHP, "Integrated Circuit", Manufacturer_Name="Texas Instruments", Datasheet Link=https://www.ti.com/lit/ds/symlink/dac5674.pdf, Height=1mm, Manufacturer_Part_Number=DAC5674IPHP
U11: library part LM1117DT-ADJ, "LD1117DT-2.5 DPAK", Manufacturer_Name="Texas Instruments", Mouser Part Number=926-LM1117DT-ADJ, Datasheet Link=http://www.ti.com/lit/ds/symlink/lm1117-n.pdf, Height=2.38mm, Manufacturer_Part_Number=LM1117DT-ADJ, Mouser Price/Stock=https://www.mouser.com/Search/Refine.aspx?Keyword=926-LM1117DT-ADJ
U12: library part LM1117DT-ADJ, "LD1117DT-1.2 DPAK", Manufacturer_Name="Texas Instruments", Mouser Part Number=926-LM1117DT-ADJ, Datasheet Link=http://www.ti.com/lit/ds/symlink/lm1117-n.pdf, Height=2.38mm, Manufacturer_Part_Number=LM1117DT-ADJ, Mouser Price/Stock=https://www.mouser.com/Search/Refine.aspx?Keyword=926-LM1117DT-ADJ
U13: library part LT1117CST-3.3, "LT1117CST-3.3"
U14: library part LT1117CST-3.3, "LT1117CST-1.8"
U15: library part "speaker conn", "4 pins conn"
U17: library part CMP-0359-03855-2, "Single Channel, Low Noise, Low Distortion Differential ADC Driver for 300 MHz IF, 1800 MHz Typical GBW, 4500 V/us Typical SR, 2.85 to 3.5 V, 16-Pin QFN (UD-16), Industrial, Pb-Free", Linear Technology Part Number=LTC6400-20, Manufacturer="Linear Technology", PartNumber=LTC6400IUD-20#PBF, Channels (#)=1, Code_JEDEC=MO-220, ComponentLink1Description="Manufacturer URL", ComponentLink1URL=http://www.linear.com/, ComponentLink2Description=Datasheet, ComponentLink2URL=http://cds.linear.com/docs/en/datasheet/640020f.pdf, ComponentLink3Description="Package Specification", ComponentLink3URL=http://cds.linear.com/docs/en/packaging/QFN_16_05-08-1691.pdf, GBW (MHz) Typical=1800, Is (mA) Typical=90, Mounting Technology="Surface Mount", PackageDescription="16-Lead Plastic QFN, Body 3.00 x 3.00 mm, Pitch 0.5 mm", PackageReference=LT-UD-16, RevisionNote="URLs updated", RoHS=Pb-Free, SR (V/us) Typical=4500, Type=DIFF, Vos (mV) Typical=2, Vs Max (V)=3.5, Vs Min (V)=2.85
U18: library part LM1117DT-ADJ, "LD1117DT33 DPAK", Manufacturer_Name="Texas Instruments", Mouser Part Number=926-LM1117DT-ADJ, Datasheet Link=http://www.ti.com/lit/ds/symlink/lm1117-n.pdf, Height=2.38mm, Manufacturer_Part_Number=LM1117DT-ADJ, Mouser Price/Stock=https://www.mouser.com/Search/Refine.aspx?Keyword=926-LM1117DT-ADJ
U19: library part ADUM4160BRWZ, "Integrated Circuit", Manufacturer_Name="Analog Devices", Mouser Part Number=584-ADUM4160BRWZ, Arrow Part Number=ADUM4160BRWZ, Arrow Price/Stock=https://www.arrow.com/en/products/adum4160brwz/analog-devices, Datasheet Link=http://uk.rs-online.com/web/p/products/9129526, Height=2.65mm, Manufacturer_Part_Number=ADUM4160BRWZ, Mouser Price/Stock=https://www.mouser.co.uk/ProductDetail/Analog-Devices/ADUM4160BRWZ/?qs=WIvQP4zGanj8VHq3sVqu9A%3D%3D
U20: library part OPA2673IRGVT, "Integrated Circuit", Manufacturer_Name="Texas Instruments", Mouser Part Number=595-OPA2673IRGVT, RS Part Number=8122587P, Datasheet Link=http://www.ti.com/lit/gpn/opa2673, Height=1mm, Manufacturer_Part_Number=OPA2673IRGVT, Mouser Price/Stock=https://www.mouser.co.uk/ProductDetail/Texas-Instruments/OPA2673IRGVT?qs=xHCJPbHdANbeLKV0FJjs6g%3D%3D, RS Price/Stock=http://uk.rs-online.com/web/p/products/8122587P
U21: "1-A, 26-V, high-PSRR, low-dropout voltage regulator", Package="TO-263-3 Texas Instruments", Availability="In Stock", Check_prices=https://www.snapeda.com/parts/LM2940S-12/NOPB/Texas+Instruments/view-part/?ref=eda, MF="Texas Instruments", MP=LM2940S-12/NOPB, Price=None, Purchase-URL=https://pricing.snapeda.com/search/part/LM2940S-12/NOPB/?ref=eda, SnapEDA_Link=https://www.snapeda.com/parts/LM2940S-12/NOPB/Texas+Instruments/view-part/?ref=snap
XG1: library part NV7050SA, "NV7050SA / VG-4513CA-122.8800M-GGCT3"
XG2: library part 581L200X2ITT, "Crystal or Oscillator", Manufacturer_Name=CTS, Mouser Part Number=774-581L200X2ITT, Datasheet Link=https://componentsearchengine.com/Datasheets/1/581L200X2ITT.pdf, Height=1.65mm, Manufacturer_Part_Number=581L200X2ITT, Mouser Price/Stock=https://www.mouser.com/Search/Refine.aspx?Keyword=774-581L200X2ITT
Y1: "Crystal or Oscillator", Manufacturer_Name=ABRACON, Mouser Part Number=815-ABS25-32.768K6-T, RS Part Number=1712795P, Datasheet Link=http://www.abracon.com/Resonators/abs25.pdf, Manufacturer_Part_Number=ABS25-32.768KHZ-6-T, Mouser Price/Stock=https://www.mouser.co.uk/ProductDetail/ABRACON/ABS25-32768KHZ-6-T?qs=wl%2FhatdkTudHMJeSjMoOzg%3D%3D, RS Price/Stock=http://uk.rs-online.com/web/p/products/1712795P
Y2: library part ECS-200-20-1, "ECS-200-20-1"

## Free pads (board coordinates)
  rrect50% 1.5x3 hole 0.8 slot 2 at 90 deg: 8(-47.375,-62.25) 8(-13.375,-62.262)
  rrect50% 3x1.5 hole 0.8 slot 2 at 0 deg: 8(-43.292,-75.5) 8(-43.292,-50.5) 8(-17.458,-75.525) 8(-17.458,-50.5)

## Via types
v1: diameter 0.6, hole 0.3, Top Copper to Bottom Copper, tented both sides, 1186 vias
v2: diameter 0.9, hole 0.4, Top Copper to Bottom Copper, tented both sides, 348 vias
v3: diameter 0.5, hole 0.3, Top Copper to Bottom Copper, tented both sides, 73 vias
v4: diameter 0.8, hole 0.4, Top Copper to Bottom Copper, tented both sides, 25 vias
v5: diameter 1, hole 0.7, Top Copper to Bottom Copper, 18 vias
v6: diameter 0.5, hole 0.25, Top Copper to Bottom Copper, tented both sides, 16 vias
v7: diameter 0.55, hole 0.3, Top Copper to Bottom Copper, tented both sides, 13 vias
v8: diameter 0.6, hole 0.25, Top Copper to Bottom Copper, tented both sides, 10 vias
v9: diameter 4, hole 3, Top Copper to Bottom Copper, 6 vias
v10: diameter 5, hole 3, Top Copper to Bottom Copper, 4 vias
v11: diameter 2, hole 1.5, Top Copper to Bottom Copper, 2 vias
v12: diameter 0.7, hole 0.4, Top Copper to Bottom Copper, tented both sides, 2 vias
v13: diameter 3, hole 2.5, Top Copper to Bottom Copper, 1 vias
v14: diameter 3.5, hole 3, Top Copper to Bottom Copper, 1 vias
v15: diameter 0.5, hole 0.2, Top Copper to Bottom Copper, tented both sides, 1 vias
v16: diameter 4, hole 3.5, Top Copper to Bottom Copper, 1 vias
v17: diameter 0.45, hole 0.2, Top Copper to Bottom Copper, tented both sides, 1 vias

## Nets (pads, with @x,y where several pads share a name; then routed paths per layer and width w, separated by ;. In a path a pad name is that pad's centre, name@x,y a point inside that pad or via, vN(x,y) a via of type N, cw(c..) or ccw(c..) an arc to the next point about the centre after c; other vN are vias at no path point)
5V: C2.1 C6.2 L1.2 L37.2 R2.2 | length 36.1
  Top Copper w1: L37.2@-42.675,-61.314 -35.761,-61.314 v2(-35.663,-61.413) v2(-36.25,-60.825) ; -36.313,-61.413 -36.313,-62.887 C6.2@-36.3,-62.9 ; v2@-36.313,-60.825 -36.313,-58.337 -36.325,-58.325 -36.325,-53.425 C2.1@-36.075,-53.175 ; v2(-33.85,-71.025) v2(-33.85,-71.95) -33.85,-72.214 -33.264,-72.8 -32.2,-72.8 R2.2@-32.05,-72.95
  Signal Layer 1 w1: v2(-36.25,-60.825) v2(-35.663,-61.413) ; v2(-33.85,-71.95) v2(-33.85,-71.025)
  Signal Layer 2 w1: v2(-36.25,-60.825) v2(-35.663,-61.413) ; v2(-33.85,-71.95) v2(-33.85,-71.025)
  Bottom Copper w1: v2(-36.25,-60.825) v2(-35.663,-61.413) -35.075,-62 -35.075,-66.775 -33.85,-68 v2(-33.85,-71.025) v2(-33.85,-71.95)